# KiCad board NS32016-BC.kicad_pcb (continued)
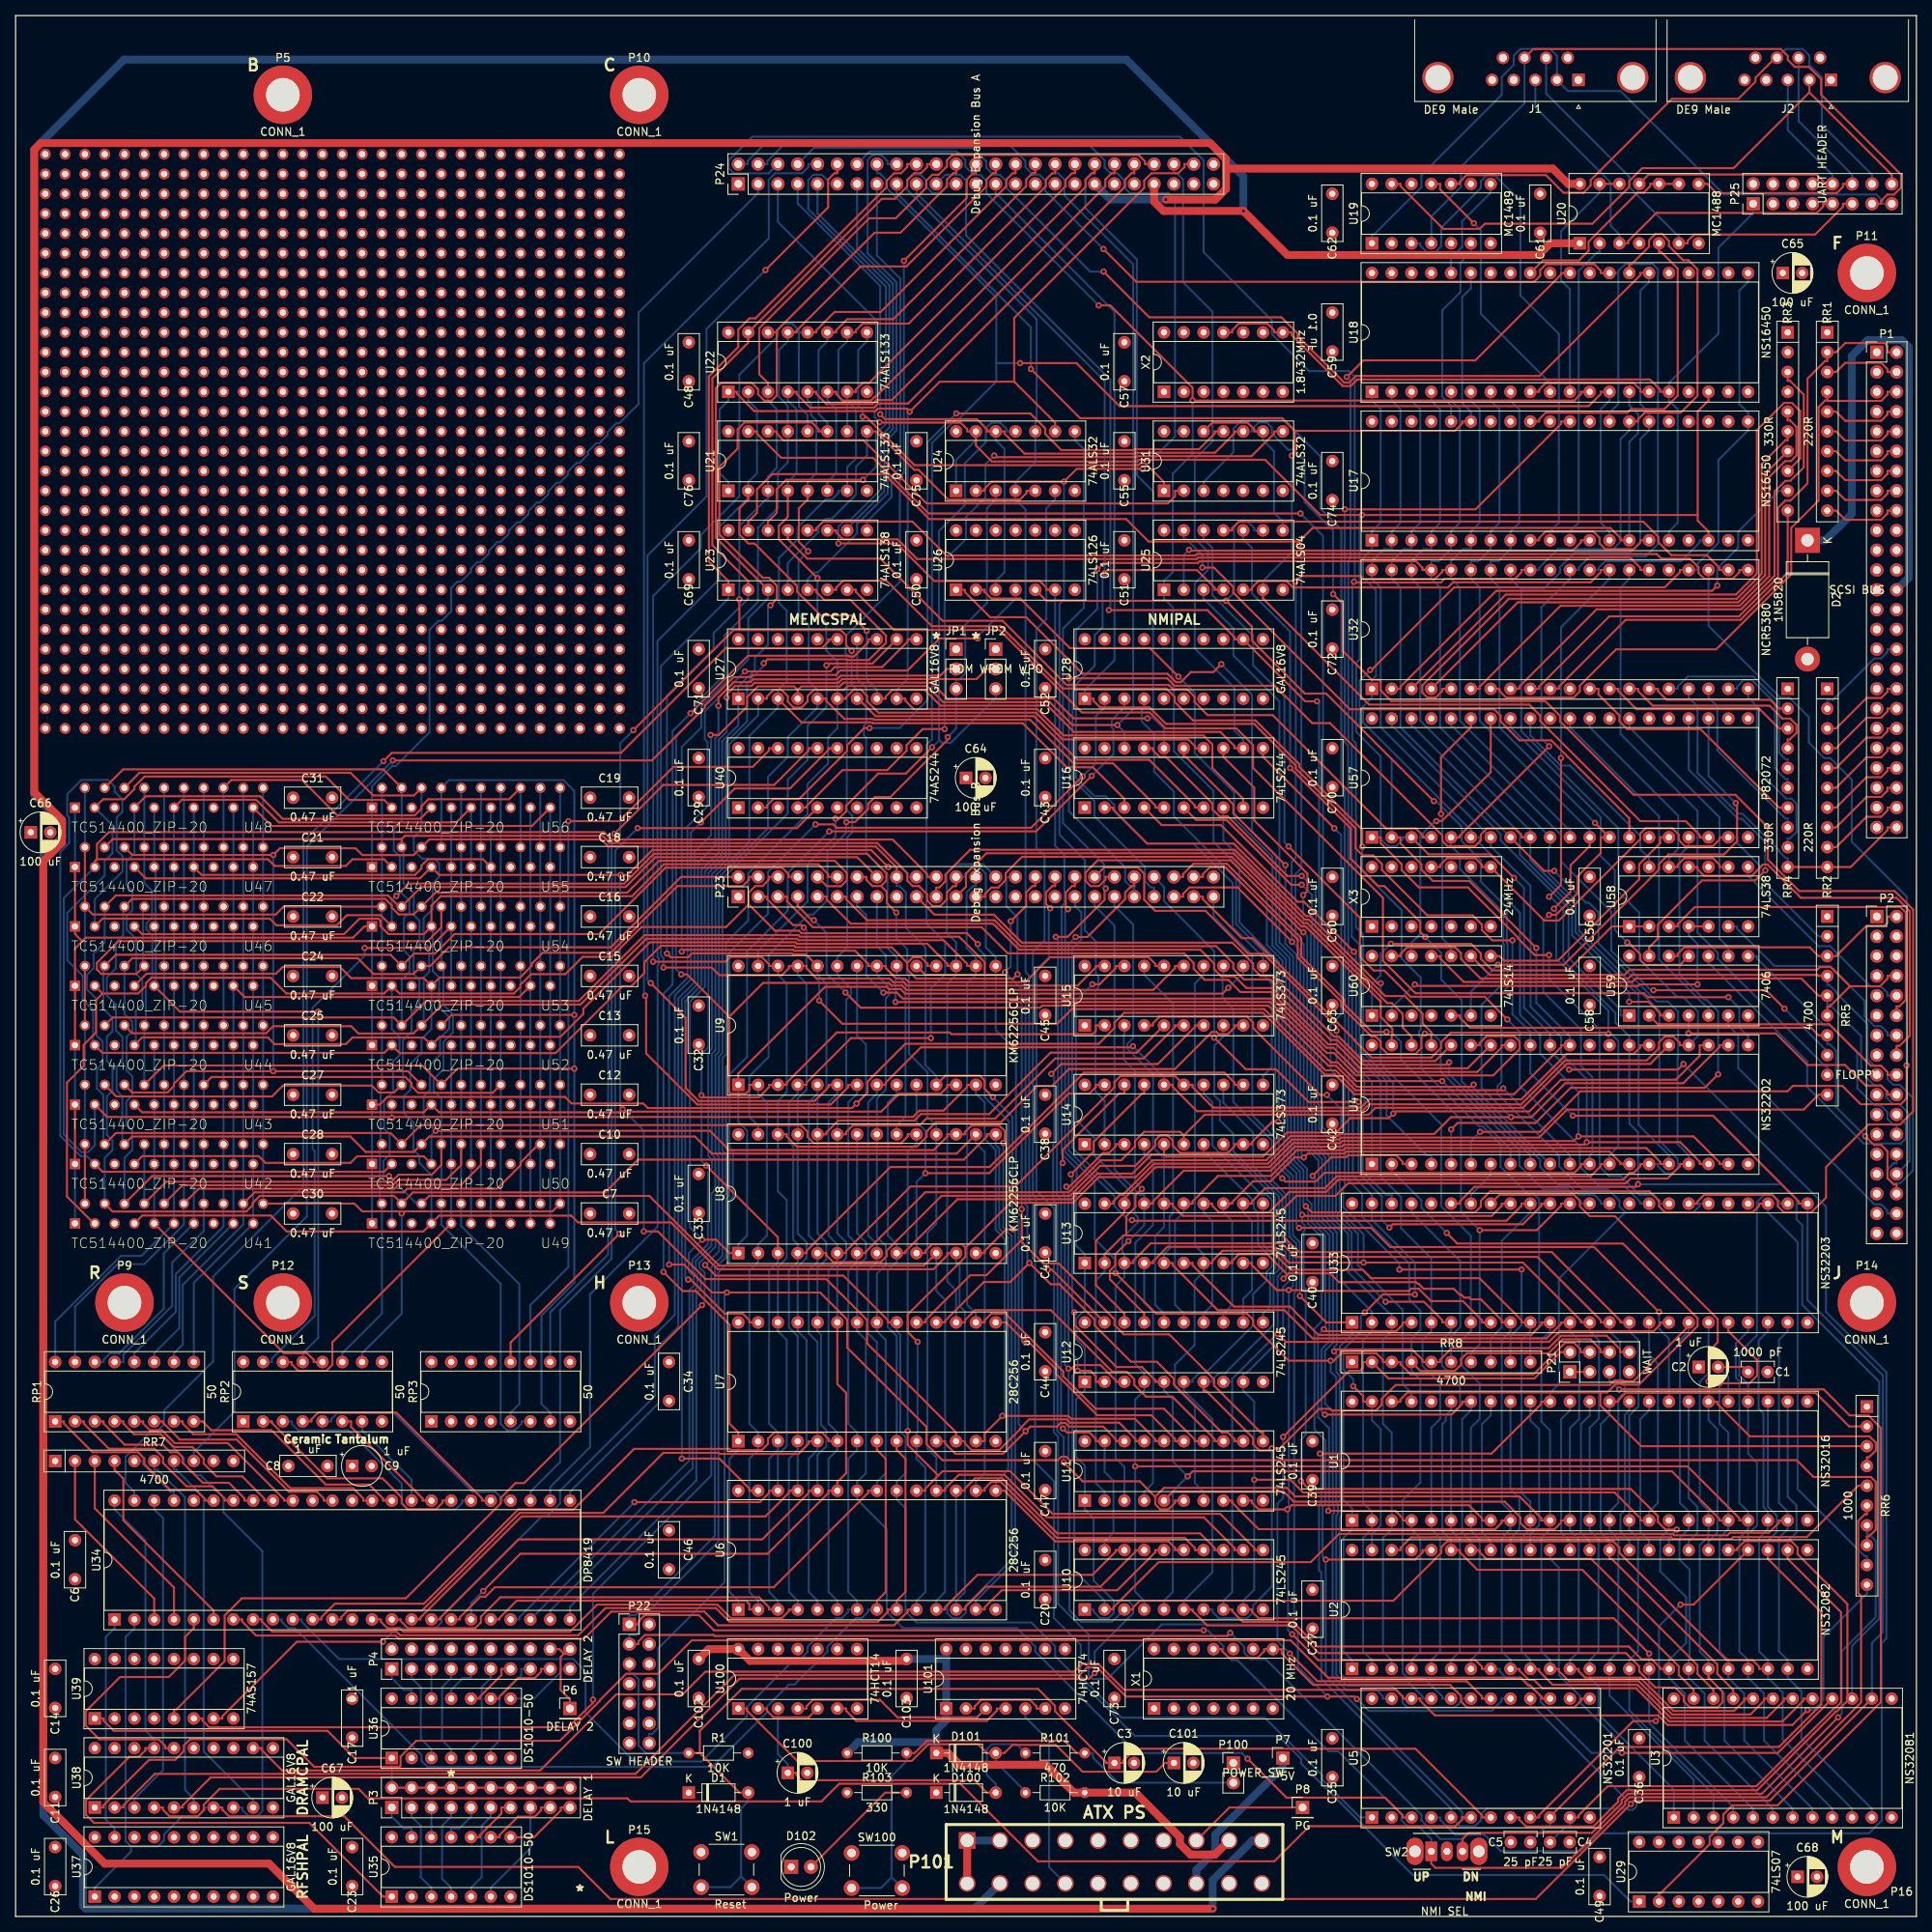
[diagram p0: board, top side]
## Routing (per net, layer and track width the routed paths; a pad name or vN(x,y) marks a point on that pad's centre or on a via; arc(x,y) is an arc through that point) (continued)
  Bottom w0.25: U14.7 152.4,97.93 152.68,97.93 158.85,91.76 158.85,90.81 159.37,90.29 159.37,86.21 161.15,84.43 161.15,83.36 160.47,82.68 160.47,81.56 158.75,79.84 158.75,75.82 152.64,69.71 151.83,69.71 150.99,68.86 150.99,68.58 U12.6 149.86,67.45 153.53,63.78 153.53,44.17 149.86,40.5 U10.6 ; U3.7 227.96,13.83 219.21,22.57 219.21,28.58 217.17,30.62 U2.19 217.17,32.88 216.04,34 216.04,47.62 217.17,48.75 U1.19 217.17,52.07 216.04,53.19 216.04,68.57 217.17,69.69 U33.19
+cpu_ad<5>: length 221.7
  Top w0.25: U33.18 214.63,75.74 207.56,68.67 206.3,68.67 206.2,68.76 205.1,68.76 204.5,68.17 177.03,68.17 175.26,66.4 175.26,65.66 174.51,64.91 168.84,64.91 168.64,65.1 167.22,65.1 162.15,60.03 v1(161.15,60.03) 160.88,59.77 159.57,59.77 158.75,60.58 158.75,61.39 152.68,67.45 152.4,67.45 U12.7
  Bottom w0.25: v1(161.15,60.03) 161.15,42.3 158.75,39.9 158.75,39.01 157.97,38.24 154.38,38.24 153.53,39.09 153.53,39.37 U10.7 ; U33.18 214.63,75.07 213.5,73.95 213.5,53.05 214.63,51.93 U1.18 214.63,49.67 213.44,48.48 213.44,45.79 214.75,44.47 214.75,33 214.63,32.88 U2.18 214.63,30.62 216.67,28.58 216.67,22.57 225.42,13.83 U3.6 ; U12.7 153.53,68.58 153.53,68.86 154.37,69.71 155.16,69.71 161.37,75.91 161.37,82.3 162.05,82.99 162.05,84.81 161.15,85.71 161.15,91.93 160.49,92.6 159.81,92.6 153.53,98.88 153.53,104.43 152.4,105.55 U14.14
+cpu_ad<6>: length 224.8
  Top w0.25: U2.17 210.96,31.75 210.96,31.93 209.9,32.99 208.57,32.99 206.94,34.63 167,34.63 163.84,37.78 157.44,37.78 156.07,39.16 156.07,39.37 U10.8 ; v1(161.9,74.73) 162.94,73.7 196.7,73.7 198.07,75.07 210.12,75.07 210.96,75.92 210.96,76.2 U33.17
  Bottom w0.25: U14.8 154.94,98.78 161.6,92.12 161.6,85.9 162.5,84.99 162.5,82.7 161.9,82.1 v1(161.9,74.73) 161.82,74.73 156.07,68.98 156.07,68.58 ; U3.5 222.88,13.83 214.13,22.57 214.13,28.58 212.09,30.62 U2.17 212.09,32.88 214.3,35.09 214.3,40.95 210.96,44.29 210.96,48.55 212.09,49.67 U1.17 ; U10.8 154.94,40.5 156.07,41.62 156.07,68.58 ; 156.07,68.58 U12.8
+cpu_ad<7>: length 234.1
  Top w0.25: U10.9 158.61,39.37 158.61,39.09 159.45,38.24 205.02,38.24 v1(209.55,33.72) ; U1.16 208.42,50.8 208.42,51.08 205.12,54.38 165.17,54.38 163.54,56.02 v1(158.89,56.02)
  Bottom w0.25: U14.13 154.94,104.37 158.75,100.56 158.75,96.24 162.5,92.49 162.5,86.27 163.4,85.37 163.4,81.55 162.6,80.74 162.6,75.1 162.66,75.03 162.66,74.47 157.9,69.71 157.48,69.71 U12.9 157.48,67.45 158.89,66.04 v1(158.89,56.02) 158.89,41.91 157.48,40.5 U10.9 ; U3.4 220.34,14.04 209.55,24.83 U2.16 v1(209.55,33.72) ; U1.16 209.55,51.93 210.68,53.05 210.68,70.92 209.55,72.05 U33.16
+cpu_ad<8>: length 204.2
  Top w0.25: 142.47,87.35 162.5,87.35 164.62,85.23 197.06,85.23 205.88,76.4 205.88,76.2 U33.15 ; 142.47,87.35 142.47,89.82 143.65,91 143.65,92.51 v1(144.47,93.33) ; 142.47,87.35 142.11,87.35 139.7,84.95 U13.2
  Bottom w0.25: U13.2 139.7,82.69 138.57,81.57 138.57,55.59 139.7,54.47 U11.2 ; U33.15 207.01,75.07 208.19,73.89 208.19,65.46 207.01,64.28 U1.15 207.01,49.58 208.14,48.45 208.14,34 207.01,32.88 U2.15 207.01,26.45 217.8,15.66 U3.3 ; v1(144.47,93.33) 143.58,94.22 143.58,108.47 142.16,109.9 142.16,113.09 142.24,113.17 U15.3
+cpu_ad<9>: length 215.8
  Top w0.25: U15.18 141.11,121.92 141.11,121.64 139.06,119.58 v1(138.13,119.58) ; U13.3 143.37,83.82 143.37,84.1 145.61,86.35 162.41,86.35 164.15,84.61 195.22,84.61 203.34,76.48 203.34,76.2 U33.14
  Bottom w0.25: U11.3 142.24,57.67 141.1,58.81 141.1,80.87 142.24,82.01 U13.3 142.24,84.95 141.99,85.2 141.99,87.05 143.96,89.02 143.96,89.72 143.54,90.14 143.54,92.46 138.34,97.66 138.34,99.94 136.03,102.25 136.03,117.48 v1(138.13,119.58) ; U33.14 204.47,75.07 205.82,73.72 205.82,68.98 206.44,68.36 206.44,67.29 205.6,66.44 205.6,53.05 204.47,51.93 U1.14 204.47,49.58 205.6,48.45 205.6,34 204.47,32.88 U2.14 204.47,28.35 215.26,17.56 U3.2
+cpu_ad<10>: length 215.8
  Top w0.25: U33.13 200.8,76.2 200.8,76.44 193.37,83.87 v1(172.92,83.87) 163.33,83.87 161.31,85.9 147.78,85.9 145.91,84.02 145.91,83.82 U13.4 ; U15.4 145.91,114.3 145.91,114.58 146.75,115.43 157.98,115.43 158.75,114.65 158.75,113.95 167.31,105.39 v1(168.22,105.39)
  Bottom w0.25: U3.1 212.72,16.27 203.06,25.94 203.06,29.5 201.93,30.62 U2.13 201.93,32.88 203.06,34 203.06,48.4 201.93,49.53 U1.13 201.93,62.69 203.12,63.88 203.12,73.89 201.93,75.07 U33.13 ; U13.4 144.78,78.74 145.91,77.61 145.91,55.59 144.78,54.47 U11.4 ; v1(168.22,105.39) 170.04,103.57 170.04,101.21 169.85,101.03 169.85,90.55 172.92,87.49 v1(172.92,83.87)
+cpu_ad<11>: length 226
  Top w0.25: U11.5 148.45,54.47 162.7,54.47 163.96,53.2 191.04,53.2 193.04,51.2 193.04,50.47 193.84,49.67 197.42,49.67 198.26,50.52 198.26,50.8 U1.12 ; U3.20 221.75,27.94 221.75,27.66 220.46,26.36 212.69,26.36 208.43,30.62 201.36,30.62 200.52,31.47 200.52,31.75 U2.12 ; U33.12 198.26,76.2 198.26,76.02 196.39,74.15 166.39,74.15 162.76,77.78 154.21,77.78 148.45,83.54 148.45,83.82 U13.5
  Bottom w0.25: U13.5 147.32,84.95 148.03,85.65 148.03,89.8 148.48,90.25 148.48,117.1 144.78,120.79 U15.17 ; U2.12 199.39,32.88 200.52,34 200.52,48.4 199.39,49.53 U1.12 199.39,62.62 200.58,63.81 200.58,73.89 199.39,75.07 U33.12
+cpu_ad<12>: length 275.2
  Top w0.25: U2.11 197.98,31.75 197.98,31.47 199.27,30.17 208.24,30.17 212.51,25.91 222.55,25.91 224.29,27.66 224.29,27.94 U3.19 ; U1.11 195.72,50.8 195.72,51.08 192.93,53.88 164.15,53.88 163.06,54.97 147.33,54.97 146.19,53.83 ; v1(132.86,108.08) 134.12,109.34 134.12,109.34 146.52,109.34 151.27,114.1 151.27,114.3 U15.7 ; 146.19,53.83 144.21,55.82 136.89,55.82 v1(134.46,58.24) ; 146.19,53.83 146.19,52.87 146.85,52.21 147.89,52.21 148.73,53.06 148.73,53.34 U11.6 ; U33.11 195.72,76.2 195.72,75.92 194.41,74.6 167.1,74.6 163.48,78.23 156.3,78.23 150.99,83.54 150.99,83.82 U13.6
  Bottom w0.25: v1(134.46,58.24) 134.46,61.45 133.63,62.28 133.63,62.88 133.66,62.91 133.66,91.32 133.11,91.88 133.11,99.07 133.23,99.19 133.23,107.71 v1(132.86,108.08) ; U33.11 196.85,75.07 195.72,73.95 195.72,63.46 196.85,62.34 U1.11 196.85,49.67 195.72,48.55 195.72,34 196.85,32.88 U2.11
+cpu_ad<13>: length 203.2
  Top w0.25: U33.10 193.18,76.2 193.18,76.48 187.79,81.87 173.89,81.87 172.82,82.95 163.55,82.95 161.1,85.4 154.82,85.4 153.53,84.1 153.53,83.82 U13.7 ; U3.18 226.83,27.94 226.83,27.66 224.64,25.46 212.32,25.46 208.06,29.72 197.18,29.72 195.44,31.47 195.44,31.75 U2.10
  Bottom w0.25: U11.7 152.4,54.47 151.27,55.59 151.27,65.4 148.73,67.95 148.73,70.78 151.25,73.3 151.25,81.55 152.4,82.69 U13.7 152.4,84.95 151.27,86.07 151.27,119.67 152.4,120.79 U15.14 ; U33.10 194.31,75.07 193.18,73.95 193.18,54.32 194.31,53.2 U1.10 194.31,49.67 193.18,48.55 193.18,34 194.31,32.88 U2.10
+cpu_ad<14>: length 207.4
  Top w0.25: U13.8 156.07,83.82 156.07,84.1 156.91,84.95 160.54,84.95 163.16,82.33 ; U1.9 190.64,50.8 190.64,50.52 189.8,49.67 159.45,49.67 156.07,53.06 156.07,53.34 U11.8 ; 163.16,82.33 163.33,82.5 168.62,82.5 169.76,81.36 179.66,81.36 179.87,81.15 179.99,81.15 180.64,80.51 184.49,80.51 185.26,79.74 185.47,79.74 185.83,79.39 186.47,79.39 186.69,79.16 187.97,79.16 190.64,76.48 190.64,76.2 U33.9 ; 163.16,82.33 v1(162.65,81.82) ; U2.9 192.9,31.75 192.9,31.56 194.12,30.33 194.79,30.33 195.85,29.27 207.85,29.27 212.12,25.01 226.67,25.01 229.37,27.72 229.37,27.94 U3.17
  Bottom w0.25: v1(162.65,81.82) 162.95,82.12 162.95,85.18 162.05,86.08 162.05,92.31 156.21,98.15 156.21,100.4 154.49,102.12 154.49,104.6 153.77,105.31 153.77,111.71 154.94,112.88 U15.8 ; U2.9 191.77,32.88 190.64,34 190.64,48.55 191.77,49.67 U1.9 191.77,51.93 190.64,53.05 190.64,73.95 191.77,75.07 U33.9
+cpu_ad<15>: length 238.3
  Top w0.25: U2.8 188.1,31.75 188.1,32.03 187.26,32.88 167.08,32.88 v1(163.76,36.2) ; U1.8 188.1,50.8 188.1,51.08 186.44,52.75 163.68,52.75 v1(163.15,52.21) 159.45,52.21 158.61,53.06 158.61,53.34 U11.9 ; U3.16 226.07,20.97 v1(206.07,20.97) ; U13.9 158.61,83.82 158.61,83.54 161.8,80.34 v1(163.33,80.34) 165.22,80.34 165.33,80.23 178.74,80.23 179.03,80.53 179.98,80.53 181.58,78.93 185.65,78.93 188.1,76.48 188.1,76.2 U33.8
  Bottom w0.25: 163.24,52.21 163.24,36.72 v1(163.76,36.2) ; 163.24,52.21 163.33,52.3 v1(163.33,80.34) 163.85,80.87 163.85,85.63 162.95,86.54 162.95,92.68 161.15,94.49 161.15,99.54 156.21,104.47 156.21,116.42 154.84,117.79 154.84,120.69 154.94,120.79 U15.13 ; 163.24,52.21 v1(163.15,52.21) ; v1(206.07,20.97) 202.17,20.97 195.63,27.52 195.63,28.22 193.22,30.62 191.2,30.62 190.36,31.47 190.36,31.75 U2.8
+cts1_rs232: length 92.1
  Top w0.25: J1.8 194.7,239.56 226.43,239.56 227.34,238.65 227.34,238.17 228.25,237.25 230.05,237.25 231.62,235.69 231.62,233.7 241.86,223.46 241.86,221.76 240.98,220.88 240.12,220.88 239.32,220.07 239.32,219.7 P25.13
  Bottom w0.25: U19.4 181.61,218.07 185.42,221.88 185.42,224.45 193.57,232.6 J1.8
+cts2_rs232: length 76
  Top w0.25: U19.10 185.28,222.25 185.28,222.53 186.12,223.38 196.31,223.38 198.58,221.11 201.12,221.11 202.06,222.05 202.06,222.74 212.48,233.16 220.98,233.16 223.19,235.36 223.19,235.87 225.74,238.42 J2.8
  Bottom w0.25: J2.8 227.08,239.55 229.26,239.55 230.11,238.7 230.11,237.51 231.71,235.92 231.71,229.85 238.14,223.42 P25.14
+cttl: length 572.1
  Top w0.25: U38.7 26.53,13.97 26.53,13.69 27.37,12.84 42.17,12.84 48.67,6.35 72.18,6.35 76.29,2.24 195.02,2.24 207.21,14.43 v1(207.21,14.43) 207.62,14.84 225.02,14.84 U3.14 ; U33.25 228.74,91.44 228.74,91.72 217.74,102.72 v1(199.76,102.72) ; v1(192.02,125.21) 189.43,125.21 188.1,126.53 188.1,127.23 186.92,128.42 181.11,128.42 175.27,134.25 175.27,134.99 174.15,136.12 172.8,136.12 171.89,137.02 171.89,139.58 164.22,147.25 164.22,147.63 158.88,152.98 147.58,152.98 145.47,155.08 139.13,155.08 138.29,155.93 138.29,156.21 U28.1
  Bottom w0.25: U5.16 194.31,26.81 194.82,26.81 v1(207.21,14.43) ; U28.1 137.16,157.34 140.97,161.15 140.97,205.83 125.73,221.07 P24.27 ; U38.7 24.27,13.97 24.27,13.69 23.43,12.84 21.38,12.84 19.05,10.52 19.05,9.78 18.26,8.99 14.8,8.99 ; U34.2 15.24,36.97 14.11,35.85 14.11,9.67 14.8,8.99 ; 14.8,8.99 14.8,8.3 10.16,3.67 U37.1 ; v1(192.02,125.21) 192.02,115.74 194.31,113.45 U4.32 194.31,108.17 v1(199.76,102.72) ; U33.25 229.87,79.07 239.53,69.4 239.53,36.48 238.12,35.07 U3.14
+ddin_buf: length 22.5
  Top w0.25: U31.12 153.53,191.63 158.05,191.63 158.89,190.78 158.89,190.5 U31.9
  Bottom w0.25: U31.9 160.02,189.37 161.43,187.96 161.43,180.05 162.56,178.93 U25.8
+dma_req0: length 77.3
  Top w0.25: U57.14 207.01,140.87 197.01,150.87 192.92,150.87 190.5,153.29 190.5,154.03 189.67,154.86 171.17,154.86 156.21,169.82 156.21,170.54 153.72,173.03 v1(152.25,173.03)
  Bottom w0.25: v1(152.25,173.03) 152.25,174.61 150.19,176.67 149.86,176.67 U25.13
+dma_req1: length 68.6
  Top w0.25: U32.22 218.58,172.72 218.58,173 216.96,174.62 212.39,174.62 210.76,176.26 210.76,176.97 208.8,178.93 156.91,178.93 156.07,178.08 156.07,177.8 U25.11
+dram_adr0<9>: length 172.9
  Top w0.25: U40.15 104.28,149.86 104.28,149.65 99.32,144.69 92.26,144.69 v1(87.92,140.34) ; v1(47.12,35.23) 36.08,35.23 26.53,25.68 26.53,25.4 U39.7
  Bottom w0.25: v1(47.12,35.23) 48.86,36.97 53.88,36.97 54.61,37.7 54.61,38.43 67.53,51.35 68.22,51.35 69.85,52.98 69.85,54.61 82,66.75 82,74.61 84.56,77.17 84.56,118.14 86.63,120.21 86.63,139.06 v1(87.92,140.34)
+dram_adr1<0>: length 25.2
  Top w0.25: RP1.1 6.21,63.5 6.21,63.22 9.88,59.55 15.71,59.55 16.51,58.74 16.51,58.03 19.82,54.73 23.1,54.73 24.27,53.55 24.27,53.34 U34.43
+dram_adr1<1>: length 25.3
  Top w0.25: U34.42 26.81,53.34 26.81,53.62 25.26,55.18 21.91,55.18 18.92,58.17 18.92,58.89 17.81,60 11.97,60 8.75,63.22 8.75,63.5 RP1.2
+dram_adr1<2>: length 25.3
  Top w0.25: U34.41 29.35,53.34 29.35,53.62 27.35,55.63 24,55.63 21.45,58.19 21.45,58.89 20.79,59.55 19.84,59.55 18.87,60.51 13.99,60.51 11.29,63.22 11.29,63.5 RP1.3
+dram_adr1<3>: length 25.3
  Top w0.25: U34.40 31.89,53.34 31.89,53.62 29.07,56.45 25.77,56.45 24.13,58.08 24.13,58.76 22.67,60.22 20.29,60.22 18.65,61.86 15.18,61.86 13.83,63.22 13.83,63.5 RP1.4
+dram_adr1<4>: length 24.8
  Top w0.25: RP1.5 16.37,63.5 16.37,63.22 17.21,62.37 18.77,62.37 20.43,60.71 27.24,60.71 34.43,53.52 34.43,53.34 U34.39
+dram_adr1<5>: length 27.3
  Top w0.25: RP1.6 18.91,63.5 18.91,63.32 21.07,61.16 28.37,61.16 35.06,54.47 38.67,54.47 39.51,53.62 39.51,53.34 U34.37
+dram_adr1<6>: length 29.9
  Top w0.25: U34.35 44.59,53.34 44.59,53.62 43.29,54.93 35.24,54.93 28.31,61.86 22.8,61.86 21.45,63.22 21.45,63.5 RP1.7
+dram_adr1<7>: length 29.8
  Top w0.25: U34.34 47.13,53.34 47.13,53.62 45.35,55.4 39.79,55.4 32.81,62.37 25.11,62.37 23.99,63.5 RP1.8
+dram_adr1<8>: length 12.8
  Bottom w0.25: U34.33 50.8,56.02 44.45,62.37 RP2.7
+dram_adr1<9>: length 99.8
  Top w0.25: RP3.12 63.5,73.62 v1(77.45,87.57) ; U40.5 100.24,139.61 v1(79.79,139.61)
  Bottom w0.25: v1(77.45,87.57) 76.91,88.1 76.91,136.73 v1(79.79,139.61)
+dram_adr2<0>: length 172.8
  Top w0.25: U48.11 21.32,143.24 30.87,143.24 33.77,140.34 56.52,140.34 U56.11
  Bottom w0.25: U48.11 U47.11 U46.11 U45.11 U44.11 U43.11 U42.11 U41.11 16.14,84.72 13.5,84.72 5.08,76.3 RP1.16 ; U49.11 U50.11 U51.11 U52.11 U53.11 U54.11 U55.11 U56.11
+dram_adr2<1>: length 177.6
  Top w0.25: U50.12 59.69,96.4 57.15,93.86 49.1,93.86 48.58,93.34 23.49,93.34 U41.12
  Bottom w0.25: RP1.15 7.62,78.21 13.09,83.68 16.51,83.68 21.59,88.76 U41.12 U42.12 U43.12 U44.12 U45.12 U46.12 U47.12 U48.12 ; U49.12 U50.12 U51.12 U52.12 U53.12 U54.12 U55.12 U56.12
+dram_adr2<2>: length 171
  Top w0.25: U55.13 59.96,135.62 52.89,135.62 52.07,134.8 52.07,134.43 51.25,133.61 23.87,133.61 U47.13
  Bottom w0.25: U56.13 U55.13 U54.13 U53.13 U52.13 U51.13 U50.13 U49.13 ; RP1.14 11.29,71.12 11.29,71.4 12.13,72.25 13.3,72.25 19,77.95 19,85.04 U41.13 U42.13 U43.13 U44.13 U45.13 U46.13 U47.13 U48.13
+dram_adr2<3>: length 172.4
  Top w0.25: U43.14 25.13,107.68 50,107.68 50.8,106.89 50.8,106.49 51.64,105.65 61.2,105.65 U51.14
  Bottom w0.25: U48.14 U47.14 U46.14 U45.14 U44.14 U43.14 U42.14 U41.14 24.13,87.91 20.09,83.88 20.09,78.33 13.83,72.06 13.83,71.12 RP1.13 ; U49.14 U50.14 U51.14 U52.14 U53.14 U54.14 U55.14 U56.14
+dram_adr2<4>: length 173.8
  Top w0.25: U56.16 63.3,143.31 52.96,143.31 52.07,142.42 52.07,142.1 51.22,141.25 41.26,141.25 36.73,145.78 27.67,145.78 U48.16
  Bottom w0.25: U48.16 U47.16 U46.16 U45.16 U44.16 U43.16 U42.16 U41.16 26.67,88.51 20.54,82.39 20.54,77.55 15.24,72.25 RP1.12 ; U49.16 U50.16 U51.16 U52.16 U53.16 U54.16 U55.16 U56.16
+dram_adr2<5>: length 168
  Top w0.25: U53.17 64.6,117.94 29.38,117.94 U45.17
  Bottom w0.25: U49.17 U50.17 U51.17 U52.17 U53.17 U54.17 U55.17 U56.17 ; U48.17 U47.17 U46.17 U45.17 U44.17 U43.17 U42.17 U41.17 20.99,81.95 20.99,75.46 17.78,72.25 RP1.11
+dram_adr2<6>: length 172.2
  Top w0.25: U41.18 30.66,92.89 49.78,92.89 50.24,93.35 61.78,93.35 64.77,96.35 64.77,96.72 67.11,99.06 U50.18
  Bottom w0.25: RP1.10 20.32,72.25 21.45,73.37 21.45,81.01 29.21,88.78 U41.18 U42.18 U43.18 U44.18 U45.18 U46.18 U47.18 U48.18 ; U56.18 U55.18 U54.18 U53.18 U52.18 U51.18 U50.18 U49.18
+dram_adr2<7>: length 167.7
  Top w0.25: U48.19 32.83,139.89 66.23,139.89 U56.19
  Bottom w0.25: U48.19 U47.19 U46.19 U45.19 U44.19 U43.19 U42.19 U41.19 22.86,81.28 RP1.9 ; U56.19 U55.19 U54.19 U53.19 U52.19 U51.19 U50.19 U49.19
+dram_adr2<8>: length 167
  Top w0.25: U41.20 43.46,91.44 44.46,90.44 49.53,90.44 ; 49.53,90.44 68.85,90.44 U49.20 ; 49.53,90.44 v1(49.53,90.18)
  Bottom w0.25: U49.20 U50.20 U51.20 U52.20 U53.20 U54.20 U55.20 U56.20 ; U41.20 U42.20 U43.20 U44.20 U45.20 U46.20 U47.20 U48.20 ; RP2.10 44.45,72.25 49.53,77.33 v1(49.53,90.18)
+dram_adr2<9>: length 181
  Top w0.25: U41.10 21.4,93.79 48.39,93.79 49.08,94.48 55.24,94.48 57.15,96.39 U50.10
  Bottom w0.25: U48.10 U47.10 U46.10 U45.10 U44.10 U43.10 U42.10 U41.10 ; RP3.5 63.5,64.63 64.63,65.75 64.63,81.09 57.15,88.57 U49.10 U50.10 U51.10 U52.10 U53.10 U54.10 U55.10 U56.10
+dramcpal1: length 46.8
  Bottom w0.25: RR7.6 17.78,57.29 18.2,57.29 21.73,53.76 21.73,16.22 22.86,15.1 U38.6
+dramcpal2: length 49
  Bottom w0.25: RR7.7 20.32,57.29 20.6,57.29 24.13,53.77 24.13,21.16 30.2,15.1 30.48,15.1 U38.9
+drv_sel0: length 81.2
  Top w0.25: U58.2 U58.1 204.78,127 199.14,121.35 189.46,121.35 187.96,122.85 187.96,123.54 186.73,124.77 v1(176.42,124.77)
  In1.Cu w0.25: U58.2 U58.13
  Bottom w0.25: v1(176.42,124.77) 175.12,123.46 175.12,120.73 173.99,119.61 U60.1 ; U58.13 209.55,135.75 208.42,136.87 208.42,138.61 199.41,147.62 198.2,147.62 194.31,151.51 194.31,152.54 U57.32
+eprom_a15: length 150.5
  Top w0.25: v1(86.58,154.35) 93.95,161.72 106.85,161.72 106.95,161.62 107.55,161.62 109.36,163.44 109.36,163.83 U27.13 ; U7.1 92.71,62.09 91.58,63.21 91.58,75.91 87.28,80.22 85.57,80.22 v1(83.11,82.67)
  Bottom w0.25: v1(83.11,82.67) 83.11,118.37 84.28,119.54 84.28,152.05 v1(86.58,154.35) ; U7.1 92.71,59.83 91.58,58.71 91.58,41.62 92.71,40.5 U6.1
+exp0_ir: length 125.3
  Top w0.25: v1(103.09,117.48) 106.06,114.51 133.61,114.51 135.5,116.39 160.18,116.39 168.04,108.54 169.32,108.54 171.88,105.98 190.6,105.98 v1(190.84,106.22) ; P23.3 96.43,130.81 96.43,130.48 99.74,127.17 100.79,127.17 v1(101.11,126.85)
  Bottom w0.25: v1(103.09,117.48) 103.09,119.94 101.46,121.57 101.46,126.5 v1(101.11,126.85) ; U4.11 199.39,97.65 190.84,106.2 v1(190.84,106.22)
+exp1_ir: length 105.7
  Top w0.25: U4.33 190.64,111.76 190.64,111.48 187.5,108.33 172.17,108.33 169.06,111.44 168.17,111.44 161.03,118.58 157.13,118.58 155.56,120.15 152.53,120.15 151.13,121.55 151.13,122.3 149.88,123.55 127.28,123.55 123.93,126.9 102.28,126.9 98.97,130.21 98.97,130.81 P23.5
+exp2_ir: length 115.2
  Top w0.25: v1(102.4,127.8) 102.17,127.8 100.33,129.63 P23.7 ; v1(106.45,118.53) 108.41,116.57 131.41,116.57 131.68,116.84 160.69,116.84 168.41,109.12 169.38,109.12 172.06,106.43 186.76,106.43 v1(187.04,106.71)
  Bottom w0.25: v1(187.04,106.71) 187.04,106.3 196.82,96.52 U4.10 ; v1(102.4,127.8) 104.04,126.16 104.04,120.94 v1(106.45,118.53)
+exp3_ir: length 97.3
  Top w0.25: U4.34 186.27,108.8 172.52,108.8 169.43,111.89 168.36,111.89 161.15,119.09 157.89,119.09 156.39,120.6 154.66,120.6 153.74,121.51 153.74,122.25 151.98,124.01 128.73,124.01 125.39,127.35 107.14,127.35 104.05,130.44 104.05,130.81 P23.9
+exp4_ir: length 105.5
  Top w0.25: P23.11 106.59,130.81 106.59,130.44 109.23,127.8 125.58,127.8 128.91,124.46 154.01,124.46 156.21,122.26 156.21,121.55 157.57,120.19 160.94,120.19 168.7,112.43 169.52,112.43 172.71,109.25 183.59,109.25 v1(183.9,109.56)
  Bottom w0.25: v1(183.9,109.56) 183.9,108.06 194.31,97.65 U4.9
+exp5_ir: length 109.3
  Top w0.25: U4.35 187.82,111.76 187.82,112.04 188.69,112.92 192.25,112.92 192.94,112.23 192.94,111.27 189.55,107.88 171.98,107.88 169.1,110.76 168.21,110.76 161.23,117.74 113.81,117.74 113.05,118.5 v1(111.32,118.5)
  Bottom w0.25: v1(111.32,118.5) 109.13,120.69 109.13,128.46 107.95,129.63 P23.13
+exp6_ir: length 103.1
  Top w0.25: v1(183.02,107.16) 171.98,107.16 169.57,109.57 168.7,109.57 160.98,117.29 112.88,117.29 v1(112.87,117.3)
  Bottom w0.25: U4.8 191.77,98.41 v1(183.02,107.16) ; v1(112.87,117.3) 112.87,120.32 111.62,121.57 111.62,123.33 110.49,124.46 P23.15
+exp7_ir: length 78.5
  Top w0.25: U4.36 182.11,109.72 172.87,109.72 169.71,112.88 169.13,112.88 161.37,120.64 159.7,120.64 158.75,121.6 158.75,122.25 156.08,124.91 129.1,124.91 125.5,128.51 117.87,128.51 P23.19
+exp9_ir: length 79.3
  Top w0.25: U4.37 181.61,113.43 180.48,114.56 180.48,115.8 178.22,118.06 175.69,118.06 165.87,127.88 165.35,127.88 156.4,136.83 122.45,136.83 119.29,133.67 119.29,132.79 118.48,131.99 118.11,131.99 P23.21
+exp11_ir: length 73.6
  Top w0.25: P23.23 121.92,132.08 121.92,133.76 124.54,136.38 156.22,136.38 165.16,127.43 165.68,127.43 175.94,117.17 176.55,117.17 177.94,115.77 177.94,114.01 179.07,112.89 U4.38
+exp13_ir: length 68.7
  Top w0.25: P23.25 124.37,130.81 124.37,131.18 125.17,131.99 126.07,131.99 127,132.92 127,133.82 129.11,135.93 156.03,135.93 164.98,126.98 165.5,126.98 175.12,117.36 175.12,115.39 176.62,113.89 176.62,112.97 176.53,112.89 U4.39
+fclk: length 203.1
  Top w0.25: U38.1 11.29,13.97 11.29,14.25 17.13,20.09 20.48,20.09 21.59,21.2 21.59,21.93 22.4,22.73 34.77,22.73 38.31,19.19 49.26,19.19 49.39,19.32 49.39,20.51 51.4,22.53 69.82,22.53 74.93,27.64 74.93,27.73 78.32,31.12 82.45,31.12 86.75,35.42 163.57,35.42 168.36,30.62 193.05,30.62 194.04,29.63 194.3,29.63 195.72,28.21 195.72,27.94 U5.15
+fdb_dir: length 51.5
  Bottom w0.25: U57.39 176.53,152.54 176.78,152.54 190.5,138.83 190.5,138.05 199.22,129.33 199.22,122.97 205.88,116.3 205.88,115.57 U59.1
+fdb_hdsel: length 45.6
  Bottom w0.25: U59.5 217.17,116.7 216.89,116.7 210.82,122.76 210.82,141.11 199.39,152.54 U57.30
+fdb_idx: length 31.2
  Top w0.25: U57.16 210.96,138.43 210.96,137.67 208.28,134.99 208.28,133.04 197.84,122.6 190.94,122.6 190.36,123.19 U60.8
+fdb_ld: length 45
  Top w0.25: U59.13 209.55,124.32 210.68,125.44 210.68,127.23 216.34,132.9 223.16,132.9 v1(224.46,134.19)
  Bottom w0.25: U57.24 214.63,147.12 220.95,140.8 221.47,140.8 224.46,137.81 v1(224.46,134.19)
+fdb_rddata: length 62.9
  Top w0.25: v1(220.66,142.81) 220.84,142.64 220.84,137.91 219.15,136.23 212.04,136.23 210.82,135.01 210.82,134.3 198.6,122.08 v1(190.16,122.08)
  Bottom w0.25: v1(220.66,142.81) 217.17,146.3 U57.23 ; U60.6 186.69,118.61 v1(190.16,122.08)
+fdb_rdy: length 72
  Top w0.25: v1(210.1,118.81) 224.56,118.81 v1(226.93,116.45)
  Bottom w0.25: v1(210.1,118.81) 209.78,118.81 204.69,123.9 204.69,128.89 198.26,135.32 198.26,138.71 184.43,152.54 184.15,152.54 U57.36 ; RR5.8 232.41,110.97 v1(226.93,116.45)
+fdb_stp: length 54.1
  Top w0.25: v1(207,117.33) 209.49,117.33 210.96,115.85 210.96,115.57 U59.3
  Bottom w0.25: U57.38 179.07,152.54 179.35,152.54 192.97,138.93 192.97,136.22 199.67,129.52 199.67,125.87 207,118.54 v1(207,117.33)
+fdb_trk0: length 35.2
  Top w0.25: v1(182.25,140.51) 182.96,140.51 189.23,146.78 U57.34
  Bottom w0.25: v1(182.25,140.51) 182.1,140.51 180.2,138.61 180.2,126.02 179.07,124.9 U60.12
+fdb_we: length 35.7
  Bottom w0.25: U59.9 219.71,124.32 218.58,125.44 218.58,140.97 207.01,152.54 U57.27
+fdb_wp: length 32.6
  Top w0.25: U57.35 186.69,152.54 182.85,148.71 v1(182.85,141.43)
  Bottom w0.25: U60.10 184.15,124.32 183.02,125.44 183.02,141.26 v1(182.85,141.43)
+fdb_wrdata: length 44.9
  Top w0.25: v1(206.74,124.94) 206.9,124.94 208.42,123.42 208.42,122.68 209.05,122.06 213.5,122.06 U59.11
  Bottom w0.25: U57.33 191.77,152.54 203.34,140.97 203.34,136.01 205.14,134.21 205.14,126.54 v1(206.74,124.94)
+fdc_clk: length 68.8
  Top w0.25: X3.11 182.74,134.62 182.74,134.85 183.63,135.75 187.26,135.75 188.1,134.9 188.1,134.62 X3.8 196.09,127.76 197.97,127.76 208.42,138.21 208.42,138.91 209.1,139.59 212.53,139.59 213.36,138.76 213.36,138.06 214.12,137.3 217.73,137.3 218.58,138.15 218.58,138.43 U57.19
  Bottom w0.25: RR5.2 231.28,125.73 223.73,133.28 223.73,134.8 220.84,137.7 220.84,138.43 U57.19
+fdc_ir: length 74.7
  Top w0.25: v1(218.4,108.02) 216.68,106.3 199.49,106.3 194.98,101.79 184.99,101.79 v1(184.15,100.95)
  Bottom w0.25: U4.5 v1(184.15,100.95) ; v1(218.4,108.02) 218.4,116.1 216.9,117.6 216.65,117.6 213.44,120.82 213.44,136.11 214.63,137.3 U57.17
+io_data<0>: length 255.2
  Top w0.25: U4.19 218.58,96.52 218.58,96.72 215.25,100.06 v1(200.49,100.06) 199.89,99.46 170.2,99.46 169.94,99.2 163.91,99.2 160.82,96.11 146.24,96.11 142.24,92.12 U13.18 142.24,90.31 138.57,86.65 138.57,80.99 142.24,77.33 U12.18
  Bottom w0.25: P23.35 135.89,129.63 136.71,128.81 136.71,125.31 135.53,124.13 135.53,98.62 141.59,92.57 142.24,92.57 U13.18 ; v1(200.49,100.06) 200.49,105.76 195.58,110.67 195.58,113.06 192.99,115.65 192.99,128.73 190.6,131.12 190.6,134.85 187.82,137.63 187.82,138.43 U57.6 186.69,139.56 186.47,139.56 172.86,153.16 172.86,155.23 173.99,156.35 U32.1 173.99,158.61 174.5,159.12 174.5,170.12 172.86,171.76 172.86,174.28 173.99,175.4 U17.1 173.99,177.66 175.12,178.78 175.12,193.33 173.99,194.45 U18.1
+io_data<1>: length 248.6
  Top w0.25: U12.17 144.78,77.33 140.38,81.73 140.38,82.83 141.07,83.52 141.07,84.94 v1(142.75,86.62) ; U4.18 216.04,96.52 216.04,96.8 213.53,99.32 v1(201.55,99.32) 201.25,99.01 170.38,99.01 170.12,98.75 164.1,98.75 161.01,95.66 149.85,95.66 145.91,91.72 145.91,91.44 U13.17
  Bottom w0.25: U18.2 176.53,194.45 177.66,193.33 177.66,178.78 176.53,177.66 U17.2 176.53,175.4 175.55,175.4 173.99,173.85 U32.40 173.99,171.59 175.12,170.47 175.12,152.54 U57.7 189.23,137.3 194.34,132.19 194.34,116.71 198.26,112.78 198.26,110.68 201.55,107.4 v1(201.55,99.32) ; v1(142.75,86.62) 144.78,88.65 U13.17 144.78,92.57 144.21,92.57 140.97,95.8 140.97,127.09 138.43,129.63 P23.37
+io_data<2>: length 249.1
  Top w0.25: U4.17 213.5,96.52 213.5,96.24 211.92,94.66 207.19,94.66 206.58,94.04 170.93,94.04 169.32,92.43 164.31,92.43 161.74,89.86 149.74,89.86 148.45,91.16 148.45,91.44 U13.16 ; U57.8 196.08,134.12 v1(197.38,134.12)
  Bottom w0.25: P23.39 140.97,129.63 143.37,127.23 143.37,112.69 142.61,111.92 142.61,111.32 145.91,108.03 145.91,98.67 147.32,97.26 U13.16 147.32,88.43 146.18,87.3 146.18,78.46 147.32,77.33 U12.16 ; U57.8 177.66,152.54 177.66,170.47 176.53,171.59 U32.39 176.53,173.85 178.09,175.4 179.07,175.4 U17.3 179.07,177.66 180.2,178.78 180.2,193.33 179.07,194.45 U18.3 ; v1(197.38,134.12) 201.46,130.04 201.83,130.04 203.06,128.82 203.06,124.82 210.52,117.36 211.95,117.36 213.27,116.04 213.27,110.1 213.19,110.03 213.19,99.08 214.63,97.65 U4.17
